# Altium PCB 10515.0462_全联供主板(2拼版)_V1.0.PcbDoc (part 6 of 18)
Units mm, origin at the board's own origin, x right, y up, seen from the top; angles counter-clockwise.
Board outline 282 x 198 mm, 2 copper layers (Top Layer, Bottom Layer); 716 components, 0 nets, 2364 pads, 1800 vias.
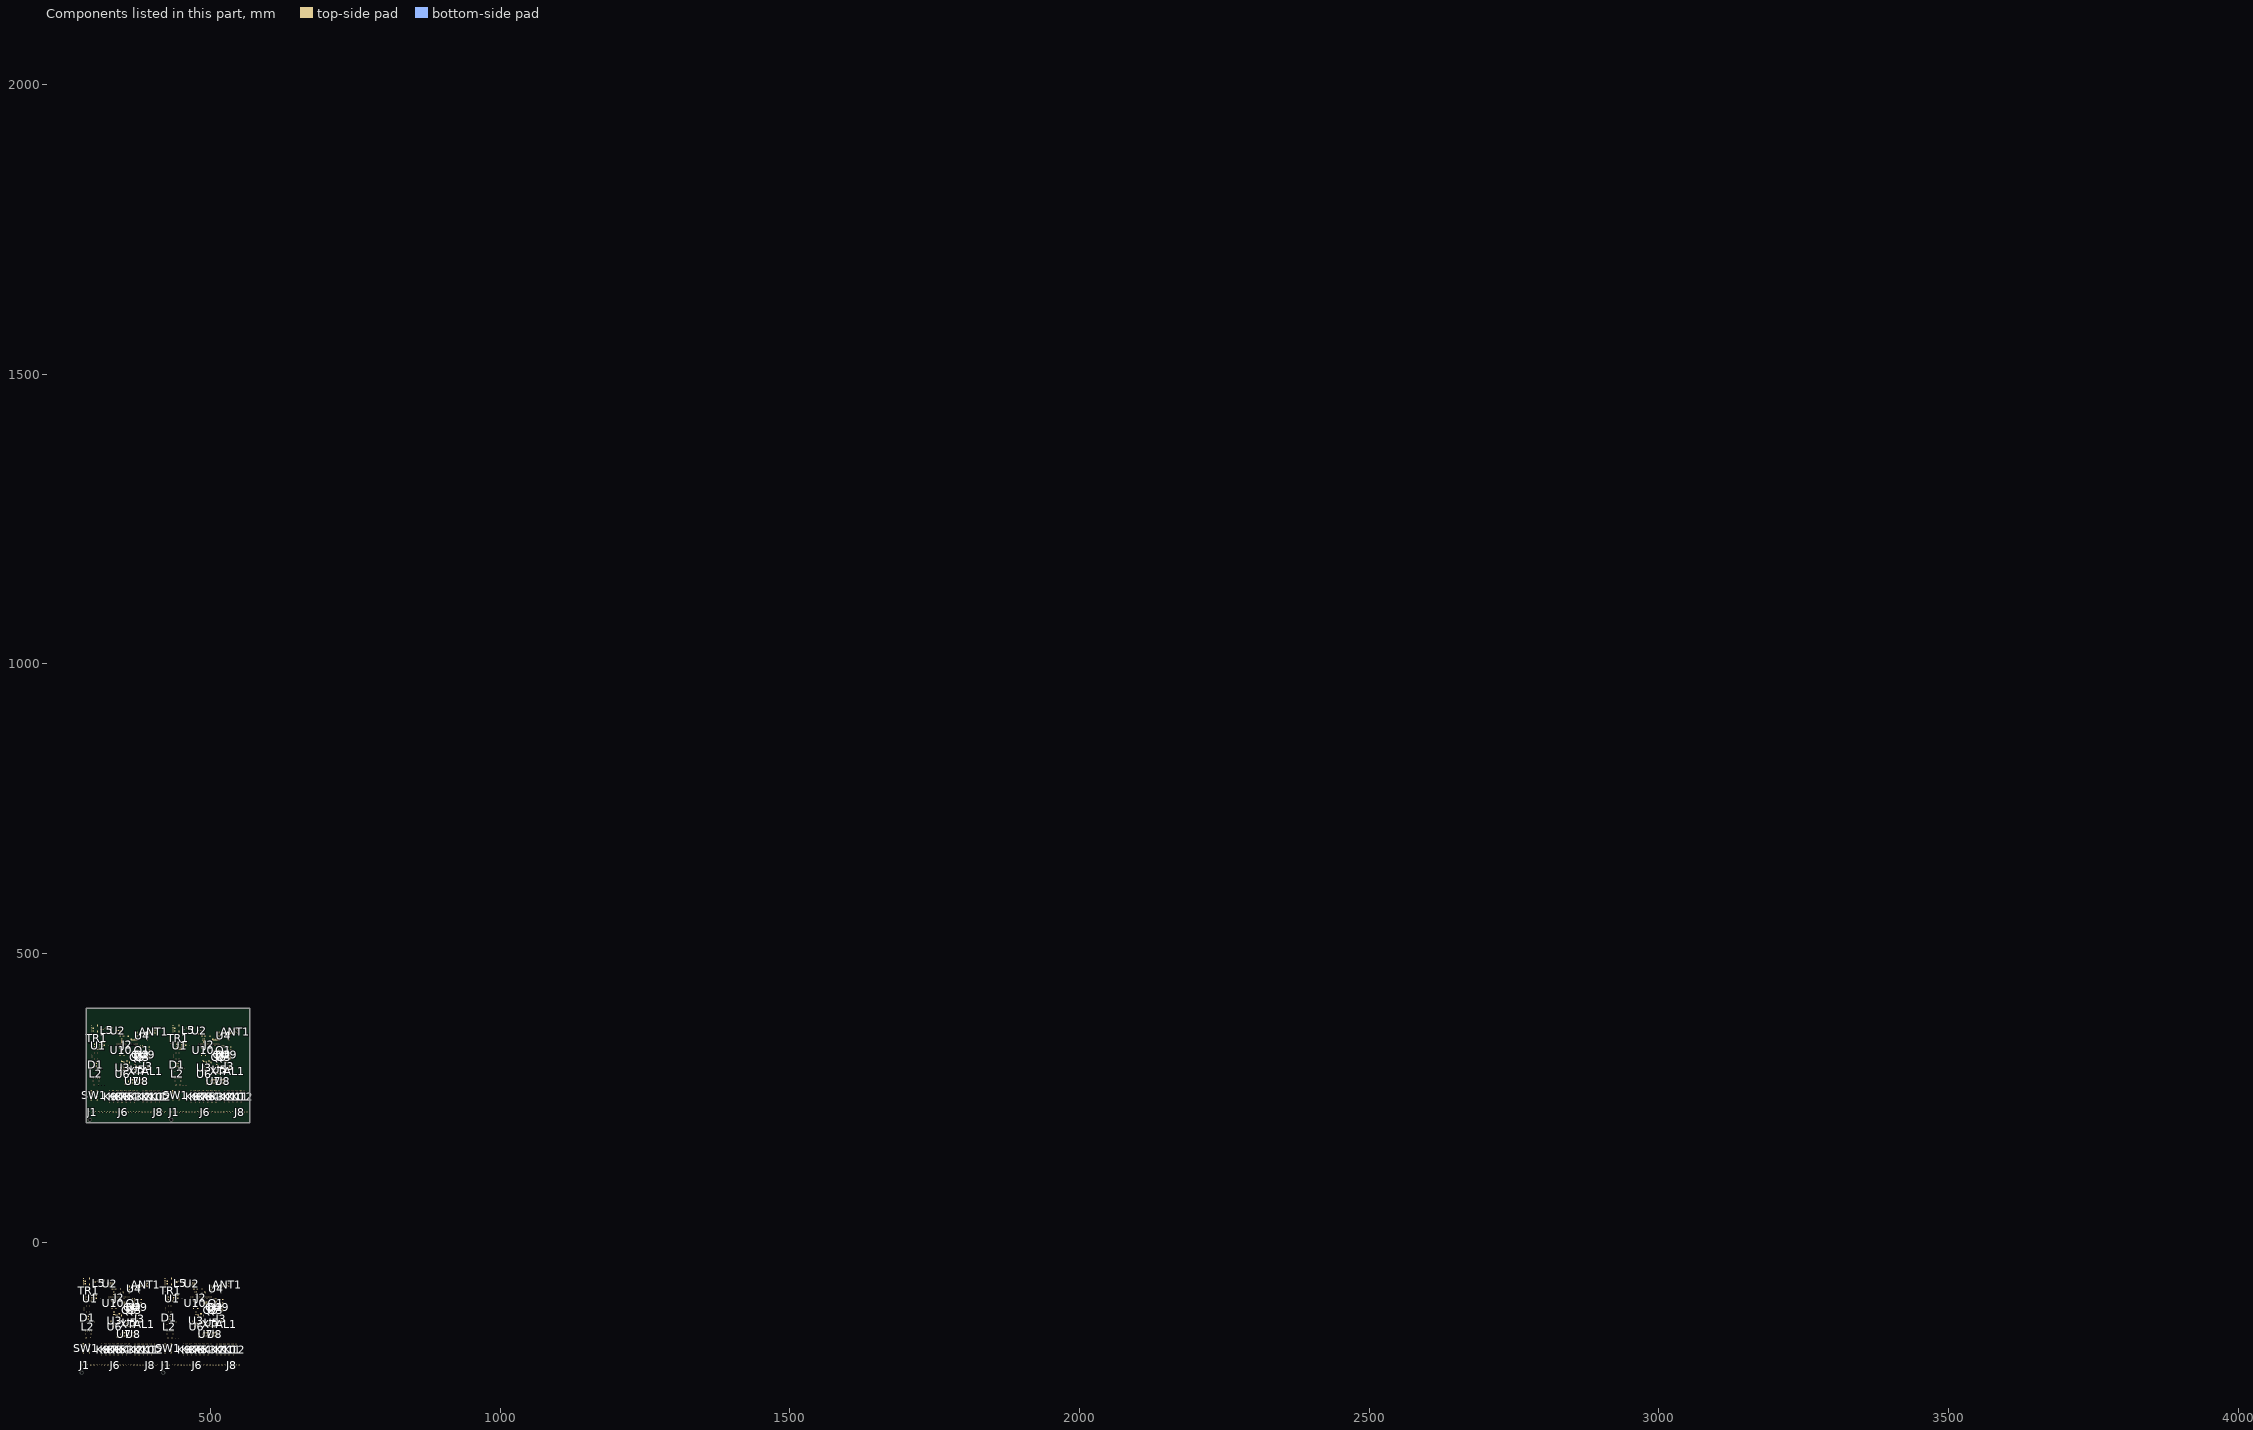
[diagram p6: the components of this part, seen from the top]

## Via types
v1: diameter 0.7, hole 0.4, Top Layer to Bottom Layer, tented both sides, 1800 vias

## Nets (pads, with @x,y where several pads share a name; then routed paths per layer and width w, separated by ;. In a path a pad name is that pad's centre, name@x,y a point inside that pad or via, vN(x,y) a via of type N, cw(c..) or ccw(c..) an arc to the next point about the centre after c; other vN are vias at no path point) (continued)
copper on no net: (continued)
  Top Layer w0.45: 289.059,-97.823 289.059,-97.562 ; 289.059,-95.283 289.059,-94.895 ; 290.415,-99.768 ccw(c290.263,-99.478) 290.59,-99.478 ; 290.59,-100.099 290.59,-99.478 ; 290.677,-100.099 cw(c292.386,-100.099) 291.178,-98.891 ; 290.765,-99.768 cw(c290.917,-99.478) 290.59,-99.478 ; 291.127,-100.099 cw(c293.923,-100.099) 291.946,-98.123 ; 292.576,-99.834 ccw(c291.851,-99.11) 292.876,-99.11 ; 292.876,-99.972 292.876,-96.049 293.642,-95.283 295.155,-95.283 297.071,-95.283 297.448,-94.906 297.448,-93.763 298.464,-92.747 ; 292.876,-99.279 ccw(c293.662,-99.279) 293.106,-99.834 ; 295.155,-97.823 298.976,-97.823 ; 295.155,-94.013 292.753,-94.013 291.987,-94.779 291.987,-98.081 290.59,-99.478 ; 295.375,-90.056 ccw(c296.32,-89.112) 296.32,-90.447 ; 295.693,-89.738 ccw(c297.406,-88.025) 297.406,-90.447 ; 296.012,-89.42 ccw(c298.492,-86.939) 298.492,-90.447 ; 296.226,-90.447 299.48,-90.447 302.209,-90.447 ; 297.196,-97.823 ccw(c297.196,-95.198) 299.053,-97.054 ; 298.283,-97.823 ccw(c298.283,-96.284) 299.371,-97.372 ; 299.042,-93.001 ccw(c298.464,-93.532) 298.464,-92.747 ; 299.042,-92.494 cw(c298.464,-91.963) 298.464,-92.747 ; 299.053,-90.713 ccw(c298.413,-91.353) 298.413,-90.447 ccw(c298.413,-89.542) 299.053,-90.182 ; 299.48,-92.747 298.464,-92.747 ; 299.632,-90.447 ccw(c299.632,-87.582) 301.658,-89.608 ; 299.907,-90.713 cw(c300.547,-91.353) 300.547,-90.447 cw(c300.547,-89.542) 299.907,-90.182 ; 300.356,-90.447 cw(c300.356,-92.29) 301.658,-90.987 ; 300.494,-90.447 cw(c300.494,-92.639) 302.119,-91.169 ; 300.719,-90.447 ccw(c300.719,-88.668) 301.977,-89.926 ; 301.047,-90.447 ccw(c301.047,-89.355) 301.819,-90.128 ; v1(301.986,-81.687) 303.002,-82.703 304.78,-82.703 ; v1@302.191,-81.892 ccw(c302.621,-81.462) v1@302.621,-82.07 ; 302.494,-80.544 301.859,-80.544 301.605,-80.798 301.605,-82.068 302.24,-82.703 304.78,-82.703 ; 302.688,338.772 302.688,339.033 ; 302.688,341.312 302.688,341.7 ; v1@302.746,-82.195 ccw(c303.354,-82.195) 302.924,-82.625 ; 304.044,336.828 ccw(c303.892,337.117) 304.219,337.117 ccw(c304.545,337.117) 304.393,336.828 ; 304.219,336.496 304.219,337.117 305.616,338.514 305.616,341.816 306.382,342.582 308.784,342.582 ; 304.306,336.496 cw(c306.015,336.496) 304.806,337.705 ; 304.756,336.496 cw(c307.551,336.496) 305.575,338.473 ; 306.205,336.761 ccw(c305.48,337.486) 306.505,337.486 ; 306.505,336.623 306.505,340.546 307.271,341.312 308.784,341.312 310.7,341.312 311.077,341.689 311.077,342.832 312.093,343.848 ; 306.505,337.317 ccw(c307.291,337.317) 306.735,336.761 ; 308.784,338.772 312.605,338.772 ; 309.004,346.539 ccw(c309.948,347.484) 309.948,346.148 ; 309.322,346.857 ccw(c311.035,348.57) 311.035,346.148 ; 309.64,347.176 ccw(c312.121,349.656) 312.121,346.148 ; 309.855,346.148 313.109,346.148 315.838,346.148 ; 310.825,338.772 ccw(c310.825,341.398) 312.682,339.541 ; 311.194,-173.925 ccw(c310.041,-172.772) 311.671,-172.772 ccw(c313.301,-172.772) 312.148,-173.925 ; 311.671,-174.752 311.671,-172.123 314.72,-169.074 346.978,-169.074 347.613,-168.439 347.613,-166.153 347.613,-160.438 ; 311.912,338.772 ccw(c311.912,340.311) 313,339.223 ; 312.671,343.594 ccw(c312.093,343.063) 312.093,343.848 ; 312.671,344.102 cw(c312.093,344.633) 312.093,343.848 ; 312.682,345.883 ccw(c312.041,345.243) 312.041,346.148 ccw(c312.041,347.053) 312.682,346.413 ; 313.109,343.848 312.093,343.848 ; 313.261,346.148 ccw(c313.261,349.013) 315.287,346.987 ; 313.536,345.883 cw(c314.176,345.243) 314.176,346.148 cw(c314.176,347.053) 313.536,346.413 ; 313.985,346.148 cw(c313.985,344.306) 315.287,345.608 ; 314.123,346.148 cw(c314.123,343.956) 315.748,345.426 ; 314.348,346.148 ccw(c314.348,347.927) 315.605,346.669 ; 314.676,346.148 ccw(c314.676,347.24) 315.448,346.468 ; v1(315.615,354.908) 316.631,353.892 318.409,353.892 ; v1@315.82,354.704 ccw(c316.25,355.134) v1@316.25,354.525 ; 316.083,-83.846 314.94,-82.703 304.78,-82.703 ; 316.123,356.051 315.488,356.051 315.234,355.797 315.234,354.527 315.869,353.892 318.409,353.892 ; v1@316.375,354.4 ccw(c316.983,354.4) 316.553,353.97 ; 318.379,-173.925 ccw(c317.227,-172.772) 318.856,-172.772 ccw(c320.486,-172.772) 319.334,-173.925 ; 318.856,-174.752 318.856,-172.05 321.1,-169.806 347.897,-169.806 348.883,-168.82 348.883,-166.534 348.883,-160.438 ; 320.995,-71.781 321.544,-71.781 ; 321.29,-72.035 321.544,-71.781 ; 321.544,-71.831 cw(c322.391,-71.831) 321.932,-71.119 ; 321.63,-67.78 cw(c321.139,-68.272) 321.834,-68.272 ; 321.706,-69.111 ccw(c321.396,-68.802) 321.834,-68.802 ccw(c322.272,-68.802) 321.962,-69.111 ; 321.834,-71.781 321.925,-71.781 ; 321.834,-67.666 321.834,-69.278 322.198,-69.642 324.458,-69.642 ; 321.847,-70.942 324.458,-70.942 ; 321.962,-70.801 ccw(c322.304,-70.459) 322.304,-70.942 ; 321.962,-69.188 ccw(c323.06,-68.09) 323.06,-69.642 ; 321.979,-70.857 ccw(c322.814,-70.225) v1@322.814,-71.273 ; 322.772,-70.942 ccw(c322.772,-70.469) v1@323.107,-70.804 ; v1@323.08,-70.844 cw(c322.433,-70.571) 322.433,-71.273 ; v1(323.195,-70.892) v1@322.814,-71.273 ; v1@323.284,-70.804 ccw(c323.618,-70.469) 323.618,-70.942 ; 323.436,-67.717 v1(324.211,-67.717) ; 323.538,-67.524 ccw(c324.004,-67.058) v1@324.004,-67.717 ; 323.713,-72.76 cw(c323.403,-73.07) 323.841,-73.07 cw(c324.279,-73.07) 323.97,-72.76 ; 323.841,-75.022 ccw(c324.32,-75.022) 324.073,-75.432 ; 323.841,-74.225 ccw(c324.8,-74.225) 324.305,-75.047 ; 323.841,-73.429 ccw(c325.28,-73.429) 324.538,-74.661 ; 324.36,-96.285 cw(c323.93,-97.235) 324.973,-97.235 ; 324.499,-75.475 323.841,-74.818 323.841,-72.632 ccw(c325.76,-72.632) 324.77,-74.276 ; 324.545,-95.875 cw(c324.245,-96.538) 324.973,-96.538 ; 324.822,262.671 ccw(c323.67,263.823) 325.3,263.823 ccw(c326.929,263.823) 325.777,262.671 ; 324.973,-96.188 324.973,-97.181 ; 325.3,261.843 325.3,264.472 328.349,267.521 360.607,267.521 361.242,268.156 361.242,270.442 361.242,276.157 ; 325.474,-96.565 cw(c327.121,-98.212) 327.121,-95.882 ; 325.492,-72.632 326.901,-72.632 ; 325.539,-173.925 ccw(c324.386,-172.772) 326.016,-172.772 ccw(c327.645,-172.772) 326.493,-173.925 ; 325.659,-72.76 cw(c325.968,-73.07) 325.968,-72.632 cw(c325.968,-72.194) 325.659,-72.504 ; 325.804,-96.234 cw(c326.304,-96.735) 326.769,-96.201 ; 325.989,-129.312 324.973,-128.296 324.973,-97.181 ; 326.016,-174.752 326.016,-172.257 327.816,-170.456 349.025,-170.456 350.153,-169.328 350.153,-167.042 350.153,-160.438 ; 326.145,-95.893 cw(c326.622,-96.37) 327.064,-95.861 ; 326.242,-95.797 cw(c327.121,-96.675) 327.121,-95.432 ; 326.243,-95.795 324.973,-97.065 324.973,-97.181 ; 326.387,-72.632 ccw(c326.387,-72.102) 326.761,-72.477 ; 327.243,-136.468 328.848,-136.468 329.123,-136.193 v1(329.672,-136.193) ; 327.243,-134.817 328.786,-134.817 ; 327.371,-136.596 cw(c327.681,-136.906) 327.681,-136.468 cw(c327.681,-136.03) 327.371,-136.34 ; 327.371,-134.945 cw(c327.681,-135.255) 327.681,-134.817 cw(c327.681,-134.379) 327.371,-134.689 ; 328.362,-136.468 ccw(c328.362,-136.006) 328.689,-136.333 ; 328.362,-134.817 ccw(c328.362,-134.355) 328.689,-134.682 ; 328.396,-136.468 cw(c328.396,-136.882) 328.689,-136.589 ; 328.396,-134.817 cw(c328.396,-135.231) 328.689,-134.938 ; v1(328.656,-68.987) 329.412,-68.987 ; 328.849,-136.467 cw(c329.357,-136.975) v1@329.625,-136.309 ; 328.892,-134.923 331.294,-134.923 333.273,-134.923 333.58,-135.229 333.58,-138.086 ; v1@328.899,-68.987 cw(c328.899,-69.7) 329.403,-69.196 ; 328.945,-134.758 ccw(c329.343,-134.36) 329.343,-134.923 ; 328.966,-136.564 cw(c329.672,-137.049) v1(329.672,-136.193) ; 329.329,-145.584 331.364,-145.584 ; 329.448,-144.314 331.364,-144.314 337.46,-144.314 ; 329.452,-132.887 cw(c330.072,-132.887) v1@329.634,-132.448 ; v1@329.634,-132.272 ccw(c329.902,-132.004) 329.902,-132.383 ; 329.661,-92.718 ccw(c329.661,-91.422) 330.578,-92.339 ccw(c331.494,-93.255) 330.198,-93.255 cw(c332.722,-93.255) 330.937,-91.471 ; 329.712,352.749 328.569,353.892 318.409,353.892 ; 329.748,-93.255 cw(c331.185,-93.255) 330.169,-92.239 ; 330.561,-91.466 331.654,-90.373 332.238,-90.373 331.145,-91.466 ; 330.942,-91.466 329.661,-92.747 329.661,-93.255 331.45,-91.466 ; 330.959,-91.068 cw(c332.199,-92.309) 332.199,-90.554 ; 331.294,-136.193 v1(329.672,-136.193) ; 331.294,-133.653 329.463,-133.653 329.452,-133.641 329.452,-132.394 329.463,-132.383 331.294,-132.383 ; 331.364,-146.854 329.456,-146.854 329.325,-146.722 329.325,-143.42 329.702,-143.044 331.364,-143.044 333.258,-143.044 333.516,-142.785 333.516,-141.515 333.516,-140.708 333.736,-140.488 v1(336.403,-140.488) ; 331.381,-90.646 cw(c331.824,-91.089) 332.115,-90.534 ; 331.727,-90.3 cw(c332.199,-90.772) 332.199,-90.104 ; 331.863,-90.748 ccw(c331.488,-90.373) 332.018,-90.373 ; 332.008,262.671 ccw(c330.855,263.823) 332.485,263.823 ccw(c334.115,263.823) 332.962,262.671 ; 332.071,-90.501 ccw(c331.761,-90.811) 331.761,-90.373 ccw(c331.761,-89.935) 332.071,-90.245 ; 332.485,261.843 332.485,264.545 334.729,266.789 361.526,266.789 362.512,267.775 362.512,270.061 362.512,276.157 ; 332.786,-173.851 ccw(c332.253,-173.098) 333.175,-173.098 ; 333.175,-174.752 333.175,-173.098 ; 333.362,-131.053 cw(c333.053,-131.362) 333.491,-131.362 cw(c333.929,-131.362) 333.619,-131.053 ; 333.388,-141.644 cw(c333.078,-141.953) 333.516,-141.953 cw(c333.954,-141.953) 333.644,-141.644 ; 333.388,-141.387 ccw(c333.078,-141.077) 333.516,-141.077 ccw(c333.954,-141.077) 333.644,-141.387 ; 333.451,-137.958 ccw(c333.142,-137.648) 333.58,-137.648 ccw(c334.017,-137.648) 333.708,-137.958 ; v1(333.491,-134.13) 333.491,-131.051 ; 333.565,-173.851 cw(c334.098,-173.098) 333.175,-173.098 ; 334.624,364.814 335.173,364.814 ; 334.919,364.56 335.173,364.814 ; 335.013,-131.053 cw(c334.724,-131.342) 335.133,-131.342 ; 335.039,-141.644 cw(c334.729,-141.953) 335.167,-141.953 cw(c335.605,-141.953) 335.295,-141.644 ; 335.102,-137.958 ccw(c334.793,-137.648) 335.231,-137.648 ccw(c335.668,-137.648) 335.359,-137.958 ; 335.133,-131.383 cw(c335.6,-131.383) 335.27,-131.053 ; 335.133,-131.09 335.133,-131.957 335.559,-132.383 337.39,-132.383 ; 335.173,364.764 cw(c336.019,364.764) 335.561,365.476 ; 335.231,-138.086 335.231,-134.086 335.664,-133.653 337.39,-133.653 339.537,-133.653 339.993,-133.197 ; 335.259,368.815 cw(c334.767,368.323) 335.463,368.323 ; 335.333,-141.644 cw(c335.643,-141.953) 335.643,-141.515 cw(c335.643,-141.077) 335.333,-141.387 ; 335.335,367.484 ccw(c335.025,367.794) 335.463,367.794 ccw(c335.901,367.794) 335.591,367.484 ; 335.463,364.814 335.554,364.814 ; 335.463,368.93 335.463,367.318 335.827,366.953 338.087,366.953 ; 335.476,365.653 338.087,365.653 ; 335.591,365.795 ccw(c335.933,366.137) 335.933,365.653 ; 335.591,367.408 ccw(c336.688,368.505) 336.688,366.953 ; 335.607,365.738 ccw(c336.443,366.37) v1@336.443,365.322 ; 336.401,365.653 ccw(c336.401,366.127) v1@336.735,365.792 ; v1(336.694,-138.112) 340.07,-138.112 344.642,-138.112 ; v1@336.709,365.752 cw(c336.062,366.024) 336.062,365.322 ; v1(336.773,-141.515) 335.167,-141.515 335.167,-142.785 335.425,-143.044 337.46,-143.044 ; v1(336.824,365.703) v1@336.443,365.322 ; v1@336.912,365.792 ccw(c337.247,366.127) 337.247,365.653 ; 337.065,368.878 v1(337.84,368.878) ; 337.167,369.072 ccw(c337.633,369.538) v1@337.633,368.878 ; 337.342,363.835 cw(c337.032,363.525) 337.47,363.525 cw(c337.908,363.525) 337.598,363.835 ; 337.39,-136.193 339.853,-136.193 340.095,-136.435 341.517,-136.435 ; 337.39,-134.923 341.442,-134.923 341.517,-134.848 ; 337.47,361.574 ccw(c337.949,361.574) 337.702,361.163 ; 337.47,362.37 ccw(c338.429,362.37) 337.934,361.549 ; 337.47,363.167 ccw(c338.909,363.167) 338.166,361.934 ; 337.988,340.311 cw(c337.559,339.36) 338.602,339.36 ; 338.128,361.12 337.47,361.778 337.47,363.963 ccw(c339.389,363.963) 338.399,362.32 ; 338.174,340.721 cw(c337.874,340.058) 338.602,340.058 ; 338.547,-133.653 ccw(c338.547,-131.789) 339.865,-133.107 ; 338.602,340.408 338.602,339.414 ; 339.077,-136.193 cw(c339.077,-137.416) 339.942,-136.551 ; 339.103,340.031 cw(c340.75,338.384) 340.75,340.713 ; 339.121,363.963 340.529,363.963 ; 339.167,262.671 ccw(c338.015,263.823) 339.645,263.823 ccw(c341.274,263.823) 340.122,262.671 ; 339.288,363.835 cw(c339.597,363.525) 339.597,363.963 cw(c339.597,364.401) 339.288,364.092 ; 339.433,340.361 cw(c339.933,339.861) 340.397,340.395 ; 339.467,-134.923 ccw(c339.467,-134.36) 339.865,-134.758 ; 339.618,-133.572 cw(c339.993,-133.946) 339.993,-133.416 ; 339.618,307.283 338.602,308.299 338.602,339.414 ; 339.633,-133.653 ccw(c339.633,-132.875) 340.183,-133.425 ; 339.645,261.843 339.645,264.339 341.445,266.139 362.654,266.139 363.782,267.267 363.782,269.553 363.782,276.157 ; 339.774,340.702 cw(c340.251,340.226) 340.693,340.734 ; 339.871,340.799 cw(c340.75,339.92) 340.75,341.163 ; 339.872,340.8 338.602,339.53 338.602,339.414 ; 339.942,-138.24 ccw(c339.632,-138.55) 339.632,-138.112 ccw(c339.632,-137.674) 339.942,-137.984 ; 340.015,363.963 ccw(c340.015,364.493) 340.39,364.119 ; 340.111,-174.417 cw(c341.424,-174.331) 340.493,-173.4 ; 340.121,-134.758 ccw(c340.519,-134.36) 340.519,-134.923 ; 340.198,-138.24 cw(c340.508,-138.55) 340.508,-138.112 cw(c340.508,-137.674) 340.198,-137.984 ; 340.198,-136.551 cw(c340.477,-136.83) 340.477,-136.435 ; 340.198,-136.294 ccw(c340.539,-135.954) 340.539,-136.435 ; 340.335,-174.752 340.335,-173.558 341.898,-171.995 351.169,-171.995 352.693,-170.471 352.693,-168.185 352.693,-160.438 ; 340.56,-174.387 cw(c342.742,-174.244) 341.196,-172.698 ; 340.872,300.128 342.477,300.128 342.752,300.403 v1(343.301,300.403) ; 340.872,301.779 342.415,301.779 ; 340.991,-134.923 ccw(c340.991,-134.36) 341.389,-134.758 ; 341,299.999 cw(c341.31,299.69) 341.31,300.128 cw(c341.31,300.566) 341,300.256 ; 341,301.65 cw(c341.31,301.341) 341.31,301.779 cw(c341.31,302.217) 341,301.907 ; 341.009,-174.358 cw(c344.06,-174.158) 341.898,-171.996 ; 341.351,-136.564 ccw(c341.041,-136.873) 341.041,-136.435 ccw(c341.041,-135.997) 341.351,-136.307 ; 341.517,-133.197 v1(342.447,-133.197) ; 341.645,-133.325 cw(c341.955,-133.635) 341.955,-133.197 cw(c341.955,-132.759) 341.645,-133.069 ; 341.991,300.128 ccw(c341.991,300.59) 342.318,300.263 ; 341.991,301.779 ccw(c341.991,302.241) 342.318,301.914 ; 342.025,300.128 cw(c342.025,299.714) 342.318,300.006 ; 342.025,301.779 cw(c342.025,301.365) 342.318,301.657 ; v1(342.285,367.608) 343.041,367.608 ; 342.478,300.128 cw(c342.986,299.62) v1@343.254,300.287 ; 342.52,301.673 344.923,301.673 346.902,301.673 347.208,301.367 347.208,298.509 ; v1@342.528,367.608 cw(c342.528,366.896) 343.032,367.4 ; 342.574,301.838 ccw(c342.972,302.236) 342.972,301.673 ; 342.595,300.032 cw(c343.301,299.546) v1(343.301,300.403) ; 342.958,291.012 344.993,291.012 ; 343.077,292.282 344.993,292.282 351.089,292.282 ; 343.081,303.709 cw(c343.7,303.709) v1@343.262,304.147 ; 343.168,-136.435 346.102,-136.435 ; v1@343.262,304.324 ccw(c343.53,304.592) 343.53,304.213 ; 343.29,343.877 ccw(c343.29,345.174) 344.206,344.257 ccw(c345.123,343.34) 343.827,343.34 cw(c346.35,343.34) 344.566,345.125 ; 343.334,-136.564 cw(c343.644,-136.873) 343.644,-136.435 cw(c343.644,-135.997) 343.334,-136.307 ; 343.377,343.34 cw(c344.814,343.34) 343.798,344.356 ; 343.475,-80.259 cw(c342.152,-81.582) 344.023,-81.582 cw(c345.894,-81.582) 344.571,-80.259 ; 344.023,-86.711 344.628,-86.107 ; 344.023,-79.711 344.023,-83.719 344.468,-84.163 344.76,-84.456 349.661,-84.456 349.737,-84.379 359.054,-84.379 359.303,-84.13 ; 344.173,-136.435 ccw(c344.173,-135.954) 344.514,-136.294 ; 344.19,345.129 345.283,346.222 345.866,346.222 344.773,345.129 ; 344.235,-136.435 cw(c344.235,-136.83) 344.514,-136.551 ; 344.488,-158.635 345.683,-158.635 ; 344.514,-138.24 ccw(c344.204,-138.55) 344.204,-138.112 ccw(c344.204,-137.674) 344.514,-137.984 ; 344.571,345.129 343.29,343.848 343.29,343.34 345.079,345.129 ; 344.588,345.527 cw(c345.828,344.287) 345.828,346.041 ; 344.616,-158.763 cw(c344.926,-159.073) 344.926,-158.635 cw(c344.926,-158.197) 344.616,-158.507 ; 344.616,-157.112 cw(c344.926,-157.422) 344.926,-156.984 cw(c344.926,-156.546) 344.616,-156.856 ; 344.77,-136.551 cw(c345.049,-136.83) 345.049,-136.435 ; 344.77,-136.294 ccw(c345.111,-135.954) 345.111,-136.435 ; 344.923,300.403 v1(343.301,300.403) ; 344.923,302.943 343.092,302.943 343.081,302.954 343.081,304.202 343.092,304.213 344.923,304.213 ; 344.993,289.742 343.085,289.742 342.954,289.873 342.954,293.175 343.331,293.552 344.993,293.552 346.887,293.552 347.145,293.81 347.145,295.08 347.145,295.887 347.365,296.107 v1(350.032,296.107) ; 345.01,345.95 cw(c345.453,345.507) 345.744,346.062 ; 345.356,346.295 cw(c345.828,345.823) 345.828,346.491 ; 345.492,345.848 ccw(c345.117,346.222) 345.647,346.222 ; 345.7,346.094 ccw(c345.39,345.785) 345.39,346.222 ccw(c345.39,346.66) 345.7,346.351 ; 345.852,-158.804 cw(c344.967,-159.688) 346.218,-159.688 ; 345.986,-136.564 ccw(c345.676,-136.873) 345.676,-136.435 ccw(c345.676,-135.997) 345.986,-136.307 ; 346.343,-160.438 346.343,-159.295 345.683,-158.635 ; 346.343,-159.919 346.309,-159.885 346.309,-158.635 ; 346.343,-154.85 346.343,-156.236 ; 346.415,262.745 ccw(c345.882,263.498) 346.804,263.498 ; 346.463,-105.32 346.465,-105.318 ; 346.69,-156.984 346.343,-156.637 346.343,-156.236 ; 346.804,261.843 346.804,263.498 ; 346.991,305.543 cw(c346.681,305.233) 347.119,305.233 cw(c347.557,305.233) 347.248,305.543 ; 347.017,294.952 cw(c346.707,294.642) 347.145,294.642 cw(c347.583,294.642) 347.273,294.952 ; 347.017,295.208 ccw(c346.707,295.518) 347.145,295.518 ccw(c347.583,295.518) 347.273,295.208 ; 347.071,-86.107 351.034,-86.107 351.161,-85.98 ; 347.08,298.637 ccw(c346.77,298.947) 347.208,298.947 ccw(c347.646,298.947) 347.337,298.637 ; v1(347.119,302.466) 347.119,305.544 ; 347.194,262.745 cw(c347.726,263.498) 346.804,263.498 ; 347.495,-174.752 347.495,-173.765 348.502,-172.757 352.566,-172.757 353.963,-171.36 353.963,-169.074 353.963,-160.438 ; 347.71,-174.336 cw(c348.715,-174.03) 347.972,-173.288 ; 347.836,-86.107 ccw(c347.836,-85.644) 348.163,-85.971 ; 347.836,-84.456 ccw(c347.836,-83.993) 348.163,-84.32 ; 347.871,-86.107 cw(c347.871,-86.52) 348.163,-86.228 ; 347.871,-84.456 cw(c347.871,-84.869) 348.163,-84.577 ; 348.14,-174.205 cw(c349.527,-173.782) 348.502,-172.757 ; 348.419,-86.228 cw(c348.712,-86.52) 348.712,-86.107 ; 348.419,-85.971 ccw(c348.746,-85.644) 348.746,-86.107 ; 348.419,-84.577 cw(c348.712,-84.869) 348.712,-84.456 ; 348.419,-84.32 ccw(c348.746,-83.993) 348.746,-84.456 ; 348.642,305.543 cw(c348.353,305.254) 348.762,305.254 ; 348.668,294.952 cw(c348.358,294.642) 348.796,294.642 cw(c349.234,294.642) 348.924,294.952 ; 348.731,298.637 ccw(c348.421,298.947) 348.859,298.947 ccw(c349.297,298.947) 348.988,298.637 ; 348.762,305.213 cw(c349.229,305.213) 348.899,305.543 ; 348.762,305.505 348.762,304.639 349.188,304.213 351.019,304.213 ; 348.859,298.509 348.859,302.51 349.293,302.943 351.019,302.943 353.166,302.943 353.622,303.399 ; 348.962,294.952 cw(c349.272,294.642) 349.272,295.08 cw(c349.272,295.518) 348.962,295.208 ; 349.533,-86.235 ccw(c349.223,-86.545) 349.223,-86.107 ccw(c349.223,-85.669) 349.533,-85.978 ; 349.533,-84.584 ccw(c349.223,-84.894) 349.223,-84.456 ccw(c349.223,-84.018) 349.533,-84.327 ; 349.789,-86.235 cw(c350.099,-86.545) 350.099,-86.107 cw(c350.099,-85.669) 349.789,-85.978 ; 349.789,-84.546 cw(c350.191,-84.947) 350.191,-84.379 ; 349.899,-143.143 349.901,-143.141 350.754,-143.141 351.727,-143.141 ; 350.027,-143.272 cw(c350.342,-143.587) 350.342,-143.141 ; 350.027,-143.015 ccw(c350.331,-142.711) 350.331,-143.141 ; v1(350.323,298.484) 353.699,298.484 358.271,298.484 ; 350.378,-86.107 ccw(c350.378,-85.235) 350.994,-85.851 ; v1(350.401,295.08) 348.796,295.08 348.796,293.81 349.054,293.552 351.089,293.552 ; v1(350.895,-141.49) 351.657,-141.49 ; 351.019,300.403 353.481,300.403 353.724,300.16 355.146,300.16 ; 351.019,301.673 355.071,301.673 355.146,301.748 ; 351.423,-160.438 351.423,-167.677 351.423,-169.963 350.28,-171.106 335.167,-171.106 333.175,-173.098 ; 351.599,-143.269 ccw(c351.289,-143.579) 351.289,-143.141 ccw(c351.289,-142.703) 351.599,-143.013 ; 351.599,-141.618 ccw(c351.289,-141.928) 351.289,-141.49 ccw(c351.289,-141.052) 351.599,-141.362 ; 351.727,-141.49 352.419,-141.49 v1@352.888,-141.021 ; 351.855,-141.618 cw(c352.165,-141.928) 352.165,-141.49 cw(c352.165,-141.052) 